# KiCad board PDNode_Baseboard.kicad_pcb (continued)
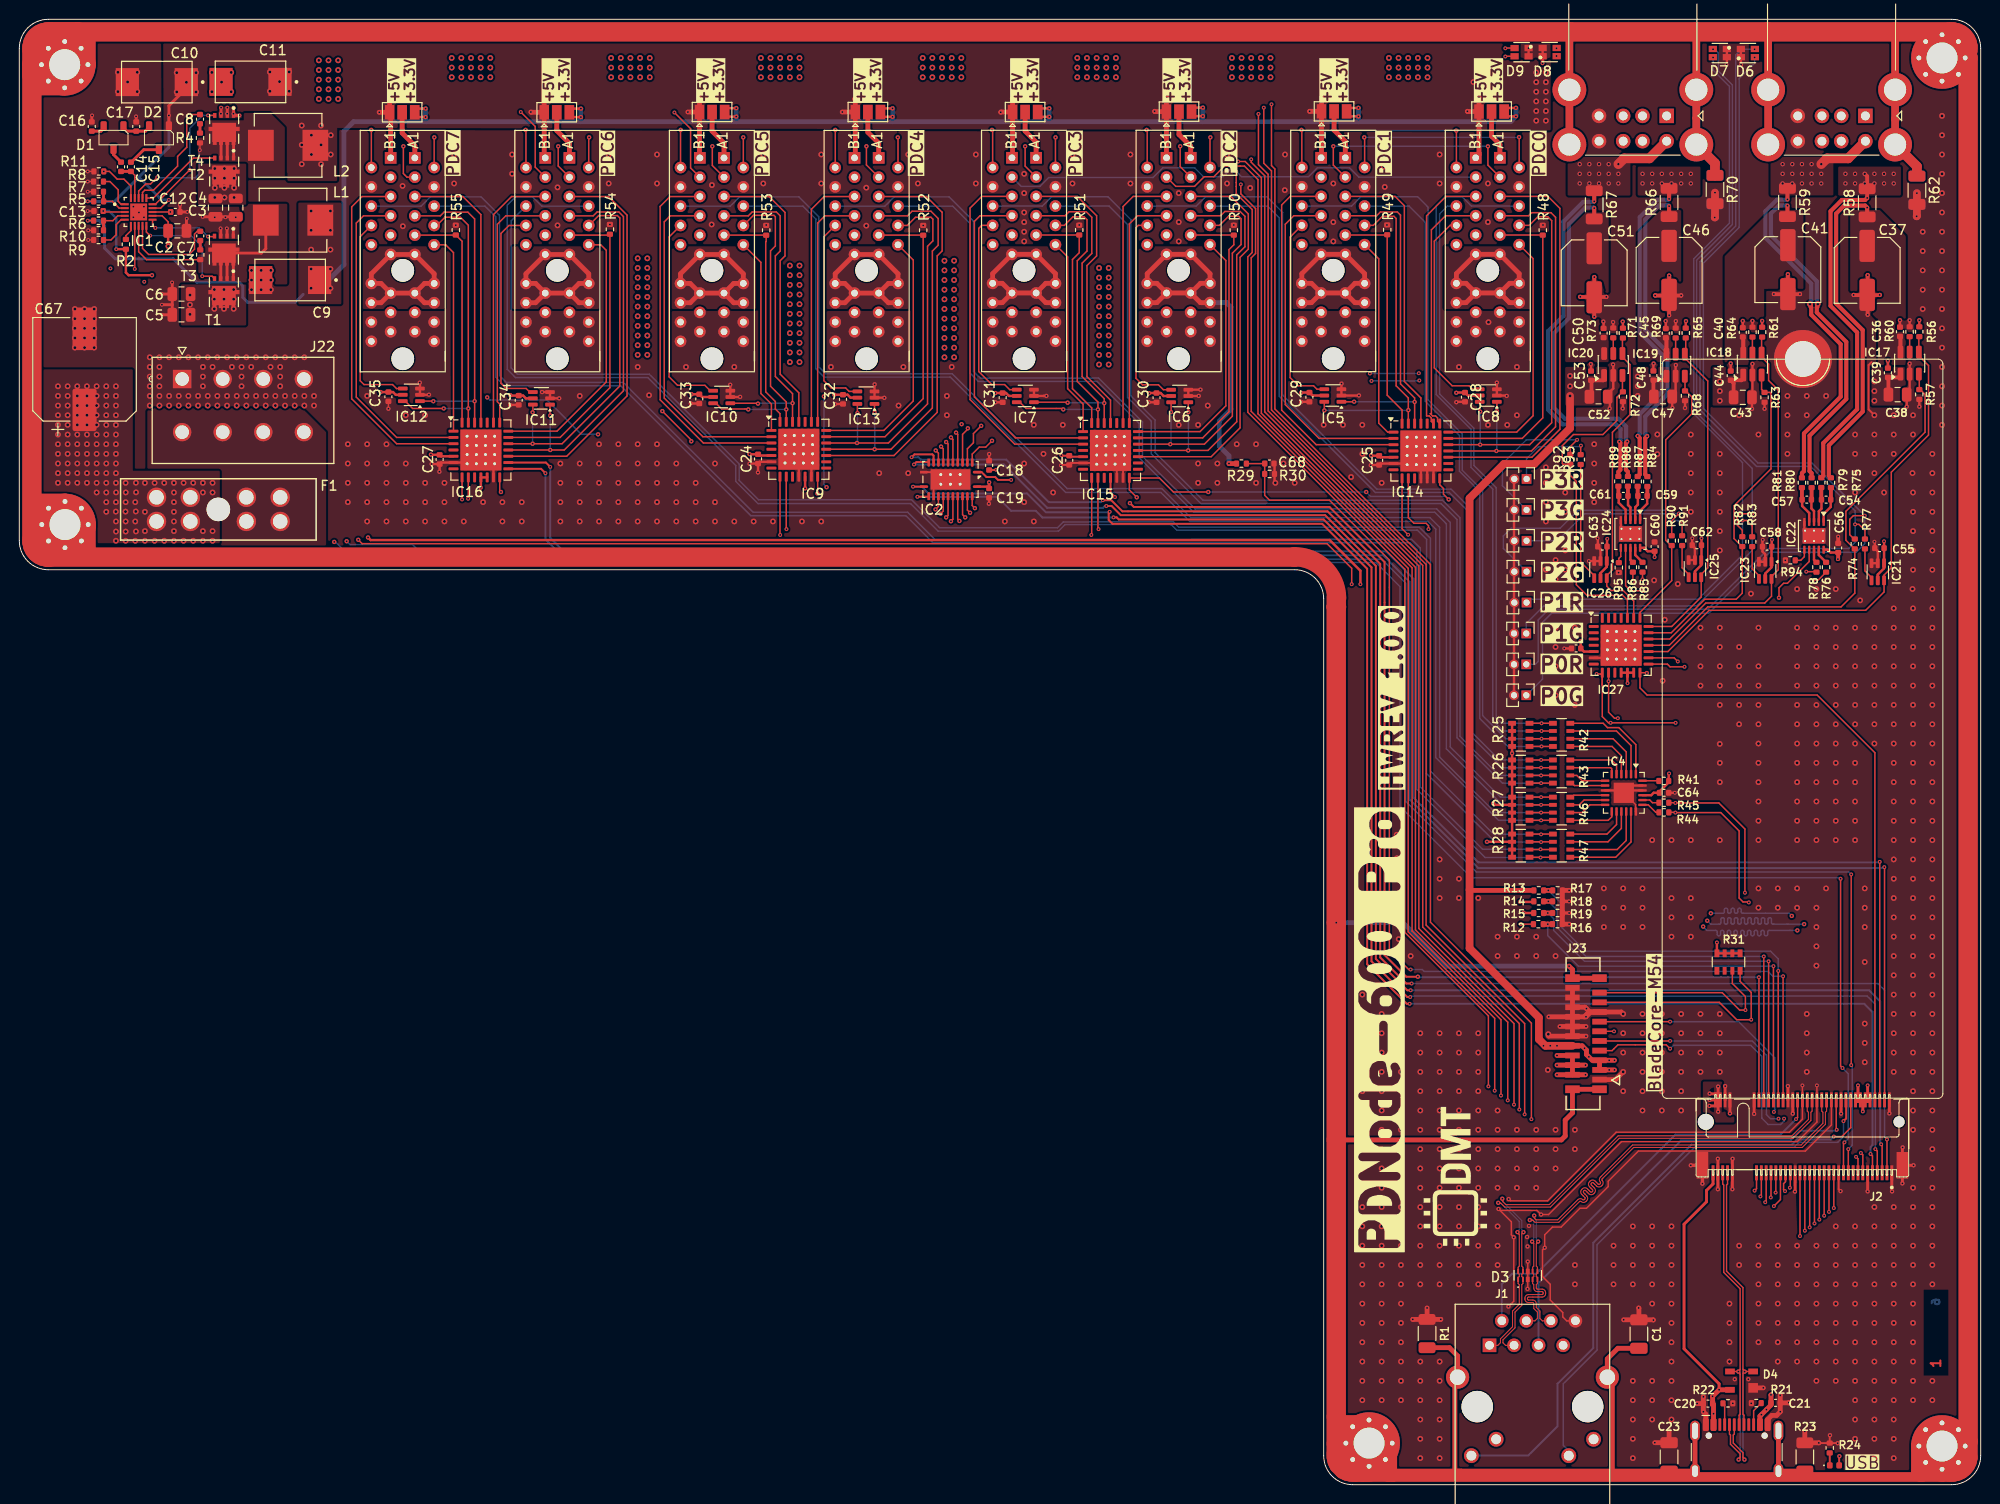
[diagram p0: board, top side]
## Routing (per net, layer and track width the routed paths; a pad name or vN(x,y) marks a point on that pad's centre or on a via; arc(x,y) is an arc through that point) (continued)
I2C1_SCL: length 286.9
  F.Cu (SIG) w0.149: v3(179,60.3) 178.95,60.35 178.4,60.35 178,60.75 178,67.7 176.1,69.6 v3(171.4,69.6) 171.38,69.62 R45.2 ; R76.2 186.2,93.7 v3(185.7,93.7) ; R85.2 v3(168,93.75) ; 163.84,82.8 163.84,79.54 164.48,78.9 v3(164.7,78.9) 171.42,78.9 v3(171.42,78.9) ; 163.84,82.8 IC27.8 ; 163.84,82.8 163.84,82.9 163.83,82.91 163.83,83.8 163.67,83.95 v3(163.25,83.95) ; R31.4 178.1,52.12 179.25,50.97 v3(179.25,48.15) 177.75,48.15 175.95,49.95 J23.17 ; v3(143.74,98.37) 143.11,99 IC14.8 ; v3(45.82,102.03) 45.82,102.37 IC16.8 ; J2.51 181.3,29.78 v3(181.27,29.75) ; v3(78.75,98.35) 78.73,98.37 IC9.8 ; IC15.8 110.99,98.39 v3(110.95,98.35)
  In2.Cu (SIG) w0.149: v3(163.25,83.95) 163.25,84.37 162.75,84.87 162.75,88.1 168,93.35 v3(168,93.75) 168,93.95 168.55,94.5 183.95,94.5 184.75,93.7 v3(185.7,93.7) ; v3(171.42,78.9) 171.42,78.88 172.8,77.5 172.8,70.65 171.75,69.6 v3(171.4,69.6) ; v3(181.27,29.75) 181.15,29.87 181.15,35.65 178.9,37.9 178.9,38.75 179.25,39.1 v3(179.25,48.15) 179.25,60.05 v3(179,60.3) ; v3(45.82,102.03) 49.5,98.35 v3(78.75,98.35) v3(110.95,98.35) 147.2,98.35 147.9,97.65 147.9,84.3 152.6,79.6 163.7,79.6 164.4,78.9 v3(164.7,78.9)
I2C1_SDA: length 283.8
  F.Cu (SIG) w0.149: v3(46.45,102.1) 46.47,102.12 IC16.9 ; v3(145.85,98.95) 145.85,99.31 145.6,99.56 144.34,99.56 143.76,100.14 IC14.9 ; J23.19 176.25,50.95 178.05,49.15 v3(178.65,49.15) 178.65,50.55 177.3,51.9 R31.3 ; IC27.9 v3(164.49,83.2) 164.49,79.99 165.1,79.38 v3(165.45,79.38) ; v3(111.7,98.95) 111.64,99.01 IC15.9 ; R86.1 v3(167,93.5) ; v3(184.95,94.55) 185.95,94.55 R78.1 ; v3(79.4,98.95) 79.38,98.97 IC9.9 ; v3(178.6,61.3) 178.6,67.9 175.9,70.6 v3(171.4,70.6) 171.38,70.62 R44.1 ; J2.53 180.8,29.35 v3(180.7,29.25)
  In2.Cu (SIG) w0.149: v3(180.7,29.25) 180.7,35.45 178.5,37.65 178.5,39.45 178.65,39.6 v3(178.65,49.15) 178.65,59.36 178.45,59.56 178.45,61.15 v3(178.6,61.3) ; v3(184.95,94.55) 184.6,94.9 167.85,94.9 167,94.05 v3(167,93.5) 167,93 162.3,88.3 162.3,83.99 163.09,83.2 v3(164.49,83.2) ; v3(171.4,70.6) 171.75,70.6 172.35,71.2 172.35,77.3 170.27,79.38 v3(165.45,79.38) 165.27,79.55 164.35,79.55 163.9,80 153.1,80 148.45,84.65 148.45,97.9 147.4,98.95 v3(111.7,98.95) v3(79.4,98.95) 49.6,98.95 v3(46.45,102.1)
MUX_OUT: length 139.1
  F.Cu (SIG) w0.15: v3(180.05,52.55) J2.56
  F.Cu (SIG) w0.2: v1(114.95,101.65) 115.35,101.25 135.6,101.25 141.3,95.55 141.3,54.85 143.55,52.6 v1(144.75,52.6) ; IC2.1 99.59,104.86 100.1,104.35 101,104.35 101.3,104.05 v3(102.65,104.05)
  In2.Cu (SIG) w0.2: v1(114.95,101.65) 114.95,101.7 113.75,102.9 108.55,102.9 107.4,104.05 v3(102.65,104.05)
  B.Cu (SIG) w0.2: v3(180.05,52.55) 144.8,52.55 v1(144.75,52.6)
MUX_S0: length 169.7
  F.Cu (SIG) w0.149: J2.3 v3(193.3,35.75)
  F.Cu (SIG) w0.2: v3(144.1,51.9) 143.55,51.9 140.85,54.6 140.85,95.35 135.4,100.8 114.17,100.8 113.02,101.95 v3(112.15,101.95) ; v3(92.35,106.4) 92.65,106.7 94.5,106.7 94.62,106.58 IC2.10
  B.Cu (SIG) w0.149: v3(144.1,51.9) 192.35,51.9 193.05,51.2 193.05,36 v3(193.3,35.75)
  B.Cu (SIG) w0.2: v3(92.35,106.4) 93.05,106.4 93.3,106.15 102.15,106.15 106.55,101.75 111.95,101.75 v3(112.15,101.95)
MUX_S1: length 166.5
  F.Cu (SIG) w0.149: J2.5 192.8,35.15 v3(192.7,35.25)
  F.Cu (SIG) w0.2: v3(144,51.2) 143.65,51.2 140.4,54.45 140.4,95.15 135.15,100.4 114,100.4 113.05,101.35 v3(112.5,101.35) ; v3(92.6,105.65) 92.85,105.9 IC2.11
  B.Cu (SIG) w0.2: v3(92.6,105.65) 101.9,105.65 106.39,101.16 112.16,101.16 112.35,101.35 v3(112.5,101.35) ; v3(144,51.2) 191.45,51.2 192.6,50.05 192.6,35.35 v3(192.7,35.25)
MUX_S2: length 163.6
  F.Cu (SIG) w0.149: J2.7 192.3,34.55 v3(192.1,34.75)
  F.Cu (SIG) w0.2: v3(92.95,102.3) 92.96,102.31 IC2.14 ; v3(143.95,50.5) 143.65,50.5 139.95,54.2 139.95,95 135,99.95 113.8,99.95 113.58,100.17 v3(113.25,100.17)
  B.Cu (SIG) w0.149: v3(143.95,50.5) 144.05,50.6 191.25,50.6 192.1,49.75 v3(192.1,34.75)
  B.Cu (SIG) w0.2: v3(92.95,102.3) 101.2,102.3 102.65,100.85 105.2,100.85 105.9,100.15 113.1,100.15 113.12,100.17 v3(113.25,100.17)
MUX_S3: length 164.4
  F.Cu (SIG) w0.149: J2.9 191.8,34.05 v3(191.6,34.25)
  F.Cu (SIG) w0.2: v3(112.85,100.75) 112.75,100.65 112.75,99.9 113.15,99.5 134.85,99.5 139.5,94.85 139.5,53.9 143.6,49.8 v3(143.9,49.8) ; v3(92.5,103.35) 92.5,103.36 IC2.13
  B.Cu (SIG) w0.2: v3(143.9,49.8) 190.95,49.8 191.8,48.95 191.8,35.16 191.6,34.96 v3(191.6,34.25) ; v3(112.85,100.75) 112.8,100.7 106.25,100.7 104.3,102.65 94.1,102.65 93.4,103.35 v3(92.5,103.35)
PD_ATTACH_PORT0: length 27.8
  F.Cu (SIG) w0.149: J4.A10 156.68,126.97 156.68,110.7 154.98,109 IC14.21
PD_ATTACH_PORT1: length 21
  F.Cu (SIG) w0.149: J5.A10 140.7,126.95 140.7,109.92 141.62,109 IC14.1
PD_ATTACH_PORT2: length 27.6
  F.Cu (SIG) w0.149: J6.A10 124.88,126.77 124.88,111.72 122.2,109.06 IC15.21
PD_ATTACH_PORT3: length 20.5
  F.Cu (SIG) w0.149: IC15.1 110.1,111.9 108.5,113.5 108.5,127.15 J7.A10
PD_ATTACH_PORT4: length 27.1
  F.Cu (SIG) w0.149: IC9.21 89.48,109.17 92.52,112.22 92.52,126.82 J8.A10
PD_ATTACH_PORT5: length 20.4
  F.Cu (SIG) w0.149: J9.A10 76.75,126.58 76.75,113 77.84,111.91 IC9.1
PD_ATTACH_PORT6: length 27.9
  F.Cu (SIG) w0.149: IC16.21 55.65,109.1 60.75,114.2 60.75,127.83 60.18,128.4 J10.A10
PD_ATTACH_PORT7: length 20.8
  F.Cu (SIG) w0.149: J11.A10 44.13,128.4 44.94,127.59 IC16.1
PD_ENABLE_PORT0: length 40.9
  F.Cu (SIG) w0.149: v1(151.2,111.12) 151.15,111.17 IC8.6 ; J4.A8 156.27,130.41 157.16,131.3 158.2,131.3 158.6,130.9 158.6,109.97 156.32,107.7 v1(151.2,107.7) IC14.19
  B.Cu (SIG) w0.149: v1(151.2,111.12) v1(151.2,107.7)
PD_ENABLE_PORT1: length 35.1
  F.Cu (SIG) w0.149: v1(135.07,111.25) 135.06,111.26 IC5.6 ; J5.A8 140.14,130.41 141.07,131.35 142.27,131.35 142.5,131.12 142.5,113.8 143.76,112.54 v1(143.76,111.28) IC14.27
  B.Cu (SIG) w0.149: v1(143.76,111.28) 143.74,111.25 v1(135.07,111.25)
PD_ENABLE_PORT2: length 39.9
  F.Cu (SIG) w0.149: IC6.6 119.21,111.09 v1(119.2,111.08) ; IC15.19 v1(119.12,107.75) 122.65,107.75 125.55,110.65 125.55,127.53 126.45,128.43 126.45,131.1 126.2,131.35 125.15,131.35 124.21,130.41 J6.A8
  B.Cu (SIG) w0.149: v1(119.12,107.75) 119.2,107.83 v1(119.2,111.08)
PD_ENABLE_PORT3: length 34.8
  F.Cu (SIG) w0.149: IC15.27 v1(111.64,111.35) 111.64,112.11 109.5,114.25 109.5,126.75 110.5,127.75 110.5,131 110.2,131.3 109.05,131.3 108.16,130.41 J7.A8 ; IC7.6 103.55,112.1 104.2,111.45 107.95,111.45 v1(108.05,111.35)
  B.Cu (SIG) w0.149: v1(108.05,111.35) v1(111.64,111.35)
PD_ENABLE_PORT4: length 39.6
  F.Cu (SIG) w0.149: J8.A8 91.9,130.4 92.75,131.25 94.35,131.25 94.55,131.05 94.55,128.8 94,128.25 94,111.92 89.95,107.88 v1(86.7,107.88) IC9.19 ; v1(86.75,110.97) 86.74,110.99 IC13.6
  B.Cu (SIG) w0.149: v1(86.7,107.88) 86.75,107.92 v1(86.75,110.97)
PD_ENABLE_PORT5: length 33.8
  F.Cu (SIG) w0.149: IC9.27 v1(79.38,111.35) 79.38,112.13 77.75,113.75 77.75,127.78 78.25,128.28 78.25,131.3 78.1,131.45 75.99,131.45 J9.A8 ; IC10.6 72.11,111.99 72.7,111.4 75.4,111.4 v1(75.45,111.35)
  B.Cu (SIG) w0.149: v1(75.45,111.35) v1(79.38,111.35)
PD_ENABLE_PORT6: length 39.2
  F.Cu (SIG) w0.149: IC16.19 v1(53.12,107.8) 56.18,107.8 62.15,113.78 62.15,131.18 61.9,131.43 59.96,131.43 J10.A8 ; IC11.6 53.15,111.08 v1(53.12,111.05)
  B.Cu (SIG) w0.149: v1(53.12,111.05) v1(53.12,107.8)
PD_ENABLE_PORT7: length 31.8
  F.Cu (SIG) w0.149: J11.A8 43.2,130.4 44.05,131.25 45.65,131.25 46.47,130.43 v1(46.47,111.45) IC16.27 ; IC12.6 39.94,112.21 40.7,111.45 v1(43.93,111.45)
  B.Cu (SIG) w0.149: v1(43.93,111.45) v1(46.47,111.45)
PD_IRQ_PORT0: length 42.4
  F.Cu (SIG) w0.149: IC14.17 156.55,106.4 159.45,109.3 159.45,132.18 158.21,133.41 J4.A5
PD_IRQ_PORT1: length 29.8
  F.Cu (SIG) w0.149: IC14.25 145.06,112.54 143.35,114.25 143.35,132.45 142.39,133.41 J5.A5
PD_IRQ_PORT2: length 41
  F.Cu (SIG) w0.149: IC15.17 123.36,106.45 126.35,109.45 126.35,127.1 127.2,127.95 127.2,131.6 125.39,133.41 J6.A5
PD_IRQ_PORT3: length 30
  F.Cu (SIG) w0.149: IC15.25 112.94,112.31 110.5,114.75 110.5,126.25 111.5,127.25 111.5,131.41 109.5,133.41 J7.A5
PD_IRQ_PORT4: length 41.5
  F.Cu (SIG) w0.149: 95.52,131.75 95.51,131.76 ; 95.51,131.76 93.88,133.4 J8.A5 ; 95.51,131.76 95.51,127.76 95,127.25 95,111.05 90.52,106.58 IC9.17
PD_IRQ_PORT5: length 29.7
  F.Cu (SIG) w0.149: IC9.25 80.68,113.07 78.75,115 78.75,126.75 79.25,127.25 79.25,131.75 77.6,133.4 J9.A5
PD_IRQ_PORT6: length 40.4
  F.Cu (SIG) w0.149: J10.A5 60.98,133.4 62.9,131.47 62.9,112.75 56.65,106.5 IC16.17
PD_IRQ_PORT7: length 29.2
  F.Cu (SIG) w0.149: IC16.25 47.77,131.53 45.9,133.4 J11.A5
PD_RESET_PORT0: length 27.9
  F.Cu (SIG) w0.149: J4.B5 147.66,133.41 145.65,131.4 145.65,110.68 145.93,110.68 146.14,110.47 146.14,110.11 IC14.23
PD_RESET_PORT1: length 38.8
  F.Cu (SIG) w0.149: J5.B5 131.54,133.41 130.65,132.53 130.65,111.28 134.23,107.7 IC14.3
PD_RESET_PORT2: length 27.4
  F.Cu (SIG) w0.149: IC15.23 114.24,132.36 115.29,133.41 J6.B5
PD_RESET_PORT3: length 38.3
  F.Cu (SIG) w0.149: IC15.3 103.02,107.75 98.4,112.38 98.4,132.2 99.61,133.41 J7.B5
PD_RESET_PORT4: length 27
  F.Cu (SIG) w0.149: J8.B5 83.3,133.4 81.98,132.08 IC9.23
PD_RESET_PORT5: length 37.9
  F.Cu (SIG) w0.149: IC9.3 70.8,107.88 66.32,112.35 66.32,132.38 67.35,133.4 J9.B5
PD_RESET_PORT6: length 27.7
  F.Cu (SIG) w0.149: J10.B5 50.95,133.4 49.07,131.52 IC16.23
PD_RESET_PORT7: length 36.8
  F.Cu (SIG) w0.149: IC16.3 39.05,107.8 34.4,112.45 34.4,132.32 35.47,133.4 J11.B5
PDC_DET_PORT0: length 34
  F.Cu (SIG) w0.149: IC14.20 155.55,108.35 157.68,110.47 R48.1 157.66,129.41 J4.A9
PDC_DET_PORT1: length 24.5
  F.Cu (SIG) w0.149: J5.A9 141.55,129.41 R49.1 141.57,112.83 143.11,111.29 IC14.28
PDC_DET_PORT2: length 33.5
  F.Cu (SIG) w0.149: J6.A9 125.69,129.41 R50.1 125.7,128.4 125.2,127.9 125.2,111.12 122.48,108.41 IC15.20
PDC_DET_PORT3: length 25.1
  F.Cu (SIG) w0.149: IC15.28 110.99,111.51 109,113.5 109,126.88 109.7,127.58 R51.1 109.7,129.41 J7.A9
PDC_DET_PORT4: length 33.2
  F.Cu (SIG) w0.149: IC9.20 89.6,108.53 93.55,112.47 R52.1 93.54,129.4 J8.A9
PDC_DET_PORT5: length 24.3
  F.Cu (SIG) w0.149: IC9.28 78.73,110.92 78.25,111.39 78.25,112.17 77.25,113.17 77.25,128.7 77.3,128.75 R53.1 77.29,129.4 J9.A9
PDC_DET_PORT6: length 32.9
  F.Cu (SIG) w0.149: IC16.20 55.97,108.45 61.12,113.6 R54.1 ; J10.A9 61.26,129.4
PDC_DET_PORT7: length 23.8
  F.Cu (SIG) w0.149: J11.A9 45.08,129.4 ; IC16.28 45.82,128.77 R55.1
PGOOD_COMBINED_PORT0: length 26
  F.Cu (SIG) w0.149: IC14.22 146.79,110.11 146.79,110.47 146.58,110.68 146.27,110.68 146.03,110.91 146.15,110.91 146.15,129.95 147.61,131.41 J4.B7
PGOOD_COMBINED_PORT1: length 35.4
  F.Cu (SIG) w0.149: IC14.2 134.52,108.35 131.02,111.85 131.02,130.53 131.91,131.41 J5.B7
PGOOD_COMBINED_PORT2: length 24.8
  F.Cu (SIG) w0.149: IC15.22 114.89,130.56 115.74,131.41 J6.B7
PGOOD_COMBINED_PORT3: length 35.3
  F.Cu (SIG) w0.149: IC15.2 103.09,108.41 98.85,112.65 98.85,130.82 99.44,131.41 J7.B7
PGOOD_COMBINED_PORT4: length 24.7
  F.Cu (SIG) w0.149: J8.B7 83.37,131.4 82.63,130.65 IC9.22
PGOOD_COMBINED_PORT5: length 34.9
  F.Cu (SIG) w0.149: IC9.2 70.75,108.53 66.75,112.53 66.75,130.78 67.37,131.4 J9.B7
PGOOD_COMBINED_PORT6: length 26
  F.Cu (SIG) w0.149: J10.B7 50.35,131.4 49.47,130.53 49.47,112.15 49.72,111.9 IC16.22
PGOOD_COMBINED_PORT7: length 33.7
  F.Cu (SIG) w0.149: J11.B7 35.62,131.4 34.88,130.65 34.88,112.62 39.05,108.45 IC16.2
PMIC_EN_PORT0: length 45
  F.Cu (SIG) w0.149: J4.A7 156.21,131.41 156.52,131.72 158.52,131.72 159,131.25 159,109.55 156.5,107.05 v1(152.88,107.05) IC14.18 ; IC8.1 v1(152.93,111.17)
  B.Cu (SIG) w0.149: v1(152.88,107.05) 152.93,107.1 v1(152.93,111.17)
PMIC_EN_PORT1: length 35.8
  F.Cu (SIG) w0.149: J5.A7 140.49,131.41 140.88,131.8 142.62,131.8 142.95,131.47 142.95,114 144.41,112.54 v1(144.41,112.12) IC14.26 ; v1(138.15,112.15) 138.14,112.14 IC5.1
  B.Cu (SIG) w0.149: v1(144.41,112.12) 144.39,112.15 v1(138.15,112.15)
PMIC_EN_PORT2: length 44.1
  F.Cu (SIG) w0.149: IC6.1 120.99,111.09 v1(121,111.08) ; J6.A7 124.34,131.41 124.77,131.85 126.35,131.85 126.85,131.35 126.85,128.2 126,127.35 126,110.08 123.03,107.11 v1(120.98,107.11) IC15.18
  B.Cu (SIG) w0.149: v1(120.98,107.11) 121,107.13 v1(121,111.08)
PMIC_EN_PORT3: length 36.2
  F.Cu (SIG) w0.149: v1(108.5,112.05) 108.45,112.1 IC7.1 ; IC15.26 v1(112.29,112) 112.29,112.46 110,114.75 110,126.5 111,127.5 111,131.25 110.43,131.82 108.65,131.82 108.24,131.41 J7.A7
  B.Cu (SIG) w0.149: v1(108.5,112.05) 112.24,112.05 v1(112.29,112)
PMIC_EN_PORT4: length 44
  F.Cu (SIG) w0.149: v1(88.52,111.03) 88.51,111.04 IC13.1 ; J8.A7 91.92,131.4 92.4,131.88 94.35,131.88 95.1,131.12 95.1,128.35 94.5,127.75 94.5,111.5 90.23,107.22 v1(88.52,107.22) IC9.18
  B.Cu (SIG) w0.149: v1(88.52,111.03) v1(88.52,107.22)
PMIC_EN_PORT5: length 34.9
  F.Cu (SIG) w0.149: v1(76.45,111.95) 76.41,111.99 IC10.1 ; IC9.26 v1(80.03,112) 80.03,112.99 78.25,114.76 78.25,127.25 78.75,127.75 78.75,131.4 78.35,131.8 75.85,131.8 75.45,131.4 J9.A7
  B.Cu (SIG) w0.149: v1(76.45,111.95) 76.5,112 v1(80.03,112)
PMIC_EN_PORT6: length 43.2
  F.Cu (SIG) w0.149: IC16.18 v1(54.95,107.15) 56.4,107.15 62.53,113.28 62.53,131.32 62.05,131.8 59.8,131.8 59.4,131.4 J10.A7 ; v1(54.95,110.72) 54.93,110.75 IC11.1
  B.Cu (SIG) w0.149: v1(54.95,110.72) v1(54.95,107.15)
PMIC_EN_PORT7: length 33.4
  F.Cu (SIG) w0.149: J11.A7 43.57,131.4 43.95,131.78 46.43,131.78 47.12,131.08 IC16.26 ; IC12.1 42.84,112.21 v1(42.85,112.2)
  B.Cu (SIG) w0.149: v1(47.12,112.2) v1(42.85,112.2)
PMIC_VMON_PORT0: length 70.8
  F.Cu (SIG) w0.149: IC2.2 98.62,106.72 99.35,107.45 100.02,107.45 v1(100.68,108.1)
  In2.Cu (SIG) w0.149: v3(139.78,115.07) 139.78,114.97 139.77,114.97 129.73,114.97 129.02,114.28 115.7,114.28 114.48,113.05 107.82,113.05 106.07,111.3 101.52,111.3 100.9,110.67 100.9,108.33 v1(100.68,108.1) ; v3(144.85,115.1) 145.8,115.1 147,116.3 147,128.25 148.16,129.41 J4.B9
  B.Cu (SIG) w0.149: v3(144.85,115.1) 144.82,115.07 v3(139.78,115.07)
PMIC_VMON_PORT1: length 56.4
  F.Cu (SIG) w0.149: IC2.3 98.12,107.28 98.75,107.9 98.75,108.85 v1(99.55,109.65)
  In2.Cu (SIG) w0.149: J5.B9 130.79,129.41 129.7,128.32 129.7,116.78 127.95,115.03 114.8,115.03 114.02,114.25 100.85,114.25 99.55,112.95 v1(99.55,109.65)
PMIC_VMON_PORT2: length 41.7
  F.Cu (SIG) w0.149: v1(98.18,109.4) 98.18,109.33 97.62,108.78 IC2.4
  In2.Cu (SIG) w0.149: J6.B9 115.56,129.41 114.32,128.18 114.32,116.28 113,114.95 100.12,114.95 98.45,113.28 98.45,110.22 98.18,109.95 v1(98.18,109.4)
PMIC_VMON_PORT3: length 27.7
  F.Cu (SIG) w0.149: v1(96.95,108.95) 97.12,108.78 IC2.5
  In2.Cu (SIG) w0.149: v1(96.95,108.95) 96.95,110.2 97.5,110.75 97.5,127.08 99.84,129.41 J7.B9
PMIC_VMON_PORT4: length 35.3
  F.Cu (SIG) w0.149: IC2.6 96.62,108.25 v1(96.43,108.45)
  In2.Cu (SIG) w0.149: J8.B9 85.4,128.36 85.4,127.73 82.7,125.03 82.7,114.45 83.18,113.97 85.3,113.97 87.32,111.95 89.43,111.95 92.5,108.88 96,108.88 v1(96.43,108.45)
PMIC_VMON_PORT5: length 52
  F.Cu (SIG) w0.149: v1(95.93,107.97) 96.12,107.78 IC2.7
  In2.Cu (SIG) w0.149: J9.B9 70.43,129.04 66.55,125.16 66.55,112.35 68.43,110.47 89.85,110.47 91.95,108.38 95.52,108.38 v1(95.93,107.97)
PMIC_VMON_PORT6: length 69.1
  F.Cu (SIG) w0.149: IC2.8 95.62,107.28 v1(95.4,107.5)
  In2.Cu (SIG) w0.149: v1(95.4,107.5) 95.15,107.75 91.6,107.75 89.18,110.17 50.32,110.17 50,110.5 50,124.61 54.43,129.04 J10.B9
PMIC_VMON_PORT7: length 83.8
  F.Cu (SIG) w0.149: IC2.9 95.12,106.83 v1(94.85,107.1)
  In2.Cu (SIG) w0.149: v1(94.85,107.1) 91.23,107.1 88.52,109.8 35.6,109.8 34.03,111.38 34.03,124.6 38.43,129.01 J11.B9
PORT_EN_PORT0: length 21.7
  F.Cu (SIG) w0.149: J4.B8 148.09,130.41 146.45,128.78 146.45,115.65 148.3,113.8 150.05,113.8 150.41,113.44 IC8.4
PORT_EN_PORT1: length 20.3
  F.Cu (SIG) w0.149: J5.B8 131.52,129.2 131.52,114.65 132.38,113.8 133.95,113.8 134.31,113.44 IC5.4
PORT_EN_PORT2: length 21
  F.Cu (SIG) w0.149: IC6.4 118.41,113.39 117.9,113.9 116.25,113.9 115.57,114.58 115.57,130.18 115.81,130.41 J6.B8
PORT_EN_PORT3: length 21.1
  F.Cu (SIG) w0.149: IC7.4 102.5,113.4 101.98,113.92 100.65,113.92 99.3,115.28 99.3,130.1 99.61,130.41 J7.B8
PORT_EN_PORT4: length 20.5
  F.Cu (SIG) w0.149: J8.B8 83.27,129.23 83.27,114.33 84.02,113.58 85.52,113.58 85.88,113.22 IC13.4
PORT_EN_PORT5: length 21.3
  F.Cu (SIG) w0.149: IC10.4 71.51,113.29 70.95,113.85 68.12,113.85 67.25,114.72 67.25,129.21 J9.B8
PORT_EN_PORT6: length 22.1
  F.Cu (SIG) w0.149: IC11.4 52.82,113.15 52.45,113.53 50.38,113.53 49.85,114.05 49.85,129.57 50.67,130.4 J10.B8
PORT_EN_PORT7: length 21.3
  F.Cu (SIG) w0.149: IC12.4 39.04,113.51 38.62,113.92 35.68,113.92 35.28,114.33 35.28,129.24 J11.B8
PORTA0_N: length 52.7
  F.Cu (SIG) w0.4: v3(191.25,133.25) R58.2 191.25,135.5 v4(191,135.75)
  F.Cu (SIG) w0.426: v3(191.25,133.25) 191.04,133.04 188.63,133.04 187.46,131.87 187.46,122.08 190.21,119.33 190.21,111.37 186.71,107.86 186.71,104.49 R79.2
  In2.Cu (SIG) w1: v4(193,134.75) 193.6,135.35 195.6,135.35 197.2,136.95 197.2,140.75 196.2,141.75 J12.1
  vias: v4(189,135.75) v4(189,134.75) v4(190,135.75) v4(190,134.75) v4(191,134.75) v4(192,135.75) v4(192,134.75) v4(193,135.75) v4(194,135.75) v4(194,134.75)
PORTA0_P: length 36.3
  F.Cu (SIG) w0.426: C36.1 194.7,118.87 IC17.6 ; R58.1 v3(191.25,132.25) 191.04,132.46 188.87,132.46 188.04,131.63 188.04,122.32 190.79,119.57 190.79,111.13 187.28,107.63 187.28,104.49 R75.2
PORTA1_N: length 42.2
  F.Cu (SIG) w0.426: v2(185.33,122.26) 185.36,122.26 185.41,122.21 185.41,121.95 185.46,121.91 185.46,121.16 188.51,118.11 188.51,112.67 184.71,108.87 184.71,104.96 184.5,104.75 R81.2 ; R59.1 v3(183,133.1)
  F.Cu (SIG) w1: J12.5 189.29,137.35 187.1,137.35 v4(186.5,136.75)
  B.Cu (SIG) w0.426: v2(185.33,122.26) 185.39,122.26 185.41,122.29 185.41,122.55 185.46,122.59 185.46,124.38 180.71,129.13 180.71,131.87 181.91,133.06 182.96,133.06 v3(183,133.1)
  vias: v4(182.5,136.75) v4(182.5,135.75) v4(182.5,134.75) v4(183.5,136.75) v4(183.5,135.75) v4(183.5,134.75) v4(184.5,136.75) v4(184.5,135.75) v4(184.5,134.75) v4(185.5,136.75) v4(185.5,135.75) v4(185.5,134.75) v4(186.5,135.75) v4(186.5,134.75)
PORTA1_P: length 37.2
  F.Cu (SIG) w0.426: C40.1 178.42,118.81 IC18.6 ; v2(186.14,122.27) 186.14,122.26 186.09,122.21 186.09,121.95 186.04,121.91 186.04,121.39 189.09,118.34 189.09,112.43 185.29,108.63 185.29,104.96 185.5,104.75 R80.2 ; R59.2 v3(183,132.45)
  B.Cu (SIG) w0.426: v3(183,132.45) 182.96,132.49 182.14,132.49 181.29,131.63 181.29,129.37 186.04,124.62 186.04,122.34 186.1,122.27 v2(186.14,122.27)
PORTA2_N: length 50.3
  F.Cu (SIG) w0.426: R87.2 167.71,104.61 167.71,108.39 167.5,108.6 v3(167.5,108.6) ; R66.2 v3(170.75,133.15)
  In2.Cu (SIG) w1: v4(172,135.75) 176,135.75 177,136.75 177,140.75 176,141.75 J13.1
  B.Cu (SIG) w0.426: v3(170.75,133.15) 170.66,133.06 169.51,133.06 167.71,131.27 167.71,119.33 170.01,117.03 170.01,113.17 167.71,110.87 167.71,108.81 v3(167.5,108.6)
  vias: v4(168,135.75) v4(168,134.75) v4(169,135.75) v4(169,134.75) v4(170,135.75) v4(170,134.75) v4(171,135.75) v4(171,134.75) v4(172,134.75) v4(173,135.75) v4(173,134.75)
PORTA2_P: length 34.7
  F.Cu (SIG) w0.426: IC19.6 170.48,118.7 C45.1 ; R84.2 168.28,104.61 168.28,108.39 168.48,108.58 v3(168.48,108.58) ; R66.1 v3(170.75,132.4)
  B.Cu (SIG) w0.426: v3(168.48,108.58) 168.29,108.77 168.29,110.63 170.59,112.93 170.59,117.27 168.29,119.57 168.29,131.03 169.74,132.49 170.66,132.49 v3(170.75,132.4)
PORTA3_N: length 44.7
  F.Cu (SIG) w0.426: R67.1 v3(163,132.9) ; v3(165.6,108) 165.6,107.99 165.71,107.89 165.71,105.1 165.5,104.9 R89.2
  F.Cu (SIG) w1: v4(165.5,136.75) 166.1,137.35 168.72,137.35 J13.5
  B.Cu (SIG) w0.426: v3(163,132.9) 162.94,132.84 161.86,132.84 159.81,130.79 159.81,121.04 158.24,119.47 158.24,111.31 159.73,109.81 165.26,109.81 165.73,109.34 165.73,108.12 v3(165.6,108)
  vias: v4(161.5,136.75) v4(161.5,135.75) v4(161.5,134.75) v4(162.5,136.75) v4(162.5,135.75) v4(162.5,134.75) v4(163.5,136.75) v4(163.5,135.75) v4(163.5,134.75) v4(164.5,136.75) v4(164.5,135.75) v4(164.5,134.75) v4(165.5,135.75) v4(165.5,134.75)
PORTA3_P: length 37.8
  F.Cu (SIG) w0.426: R67.2 v3(163,132.2) ; v3(166.41,108.01) 166.28,107.89 166.28,105.1 166.49,104.9 R88.2
  B.Cu (SIG) w0.426: v3(163,132.2) 162.94,132.26 162.09,132.26 160.39,130.56 160.39,120.81 158.81,119.23 158.81,111.54 159.97,110.39 165.5,110.39 166.3,109.58 166.3,108.12 v3(166.41,108.01)
SHIELD: length 960.4
  F.Cu (SIG) w0.5: 164.88,1.4 164.88,10.61 164.36,11.13 164.36,13.03 165.45,14.13 C1.2 ; 164.88,1.4 C23.1 J3.S1 J3.S1 ; 164.88,1.4 149.25,1.4 ; 149.25,1.4 148.55,1.4 148.57,1.43 148.57,10.84 148.87,11.13 148.87,13.34 148.01,14.19 R1.2 ; 149.25,1.4 141.25,1.4 141.15,1.3 ; R23.1 184.79,1.4 J3.S1 J3.S1 ; J23.P2 J23.P4 160.75,53.35 v3(160.4,53.7) ; 136.3,35.7 159.6,35.7 160,36.1 160,37.75 160.75,38.5 J23.P3 J23.P1
  F.Cu (SIG) w0.8: J13.9 J13.9 160.43,150.35 160.52,150.45 ; 173.62,150.45 173.57,150.39 J13.9 173.57,141.5 ; 194.14,141.43 J12.9 194.14,150.39 194.2,150.45 ; 194.14,141.43 J12.9 ; 194.14,141.43 194.2,141.36 ; 180.9,150.45 181,150.35 J12.9 ; 173.57,141.5 J13.9 ; 173.57,141.5 173.58,141.49
  F.Cu (SIG) w1: 142.18,0.8 141.65,0.8 141.15,1.3 ; 142.18,0.8 197.02,0.8 ; 142.18,0.8 138.95,0.8 138.45,1.3 ; 142.18,0.8 142.1,0.88 H3.1 ; 141.15,1.3 141.39,1.55 H3.1 ; 141.15,1.3 139.7,1.3 ; R70.1 175.5,136.85 J13.9 ; 136.3,7.03 136.62,6.7 H3.1 ; R62.1 196.4,136.52 J12.9
  F.Cu (SIG) w2: 131.93,96.09 arc(135.01,94.88) 136.34,91.84 ; 6.88,96.85 6.9,96.88 6.9,99.43 H5.1 4.72,101.63 1.85,101.63 1.55,101.33 ; 1.3,145.85 1.3,148.55 1.31,148.92 1.4,149.31 1.56,149.65 1.8,149.95 2.1,150.19 2.44,150.35 2.83,150.44 3.2,150.45 ; 131.98,96.06 131.96,96.06 3.01,96.06 3,96.05 ; 3.2,96.05 2.83,96.06 2.44,96.15 2.1,96.31 1.8,96.55 1.56,96.85 1.4,97.19 1.31,97.58 1.3,97.95 1.3,147.15 4.6,147.15 H2.1 ; H2.1 4.7,144.9 4.68,144.88 1.7,144.88 1.65,144.93 ; H2.1 6.9,147.05 6.9,147.05 6.9,150.1 ; H2.1 6.07,148.43 6.07,150.45 3.2,150.45 ; H1.1 201.7,147.75 201.7,4.5 201.69,4.49 201.69,2.83 201.6,2.44 201.44,2.1 201.2,1.8 200.9,1.56 200.56,1.4 200.17,1.31 199.8,1.3 199,1.3 ; 199,1.3 H4.1 196.82,4 196.8,3.98 196.8,1.3 199,1.3 ; 3.2,150.45 199.8,150.45 200.17,150.44 200.56,150.35 200.9,150.19 201.2,149.95 201.44,149.65 201.6,149.31 201.69,148.92 201.7,148.55 ; 136.3,91.84 136.3,90.92 136.32,90.9 136.3,90.88 v3(136.3,58.2) 136.3,3.2 136.31,2.83 136.4,2.44 136.56,2.1 137.1,1.56 137.44,1.4 137.83,1.31 138.2,1.3 139.7,1.3
  B.Cu (SIG) w0.5: v3(136.3,58.2) 143.2,58.2 147.7,53.7 v3(160.4,53.7)
  B.Cu (SIG) w0.8: J12.9 J12.9 ; J13.9 173.57,141.53 ; 173.57,141.53 J13.9 ; 173.57,141.53 173.6,141.5
  B.Cu (SIG) w1: C42.1 196.4,136.52 J12.9 ; C49.1 175.5,136.85 J13.9
Net-(C7-Pad2): length 1
  F.Cu (SIG) w0.3: R3.1 C7.2
Net-(C8-Pad2): length 1
  F.Cu (SIG) w0.3: R4.1 C8.2
Net-(C14-Pad2): length 1.7
  F.Cu (SIG) w0.3: D1.3 9.75,137.74 C14.2
Net-(C15-Pad2): length 3.5
  F.Cu (SIG) w0.3: D2.3 14.4,138.25 12.88,138.25 11.59,136.96 C15.2
Net-(C17-Pad1): length 3.3
  F.Cu (SIG) w0.3: D1.1 10.78,140.5 11.11,140.17 C17.1 13.05,140.17 13.43,140.55 D2.2
Net-(D6-A1): length 111.8
  F.Cu (SIG) w0.149: R74.2 189.89,97.93 189.45,98.38 189.45,99.97 189.82,100.35 v3(191,100.35) ; D6.4 v3(179.6,147.8)
  B.Cu (SIG) w0.149: v3(179.6,147.8) 179.6,147.2 178,145.6 178,130.2 174.3,126.5 174.3,111.45 179.95,105.8 185.55,105.8 v3(191,100.35) 191,97.45 190.1,96.55 181.15,96.55 174.85,90.25 158.6,90.25 157.65,89.3 157.65,83.42 155.98,81.75 J14.1
Net-(D6-A2): length 108.1
  F.Cu (SIG) w0.149: R77.2 191.02,98.83 190.4,99.45 v3(190,99.45) ; D6.3 v3(179.6,148.65)
  B.Cu (SIG) w0.149: 155.97,84.97 J15.1 156.9,84.95 157.2,85.25 157.2,89.55 158.3,90.65 174.75,90.65 181.05,96.95 189.35,96.95 190,97.6 v3(190,99.45) 190,100.85 185.4,105.45 179.8,105.45 173.95,111.3 173.95,126.65 177.65,130.35 177.65,148.05 178.25,148.65 v3(179.6,148.65)
Net-(D7-A1): length 88.3
  F.Cu (SIG) w0.149: R82.2 178.32,98.85 177.82,99.35 177.82,100.33 178.05,100.55 v3(179.35,100.55) ; D7.4 175.28,148.67 v3(175.3,148.65)
  B.Cu (SIG) w0.149: v3(175.3,148.65) 175.5,148.65 175.85,148.3 175.85,146.4 177.3,144.95 177.3,130.5 173.6,126.8 173.6,111 179.35,105.25 v3(179.35,100.55) 179.35,96.75 173.6,91 157.77,91 155.97,89.2 J16.1
Net-(D7-A2): length 82.6
  F.Cu (SIG) w0.149: v3(175.3,147.8) 175.28,147.82 D7.3 ; R83.2 179.35,99.3 178.8,99.85 v3(178.35,99.85)
  B.Cu (SIG) w0.149: J17.1 156.1,91.35 156.45,91.7 173.75,91.7 178.35,96.3 v3(178.35,99.85) 178.35,105.85 173.3,110.9 173.3,126.95 177,130.65 177,144.8 175.3,146.5 v3(175.3,147.8)
Net-(D8-A1): length 88.6
  F.Cu (SIG) w0.149: v3(171.77,100.58) 171.02,99.82 R90.2 ; D8.4 159.11,147.94 v3(159.1,147.95)
  In2.Cu (SIG) w0.149: v3(171.77,100.58) 172.05,100.85 172.05,108.25 169.7,110.6 160.1,110.6 159.3,111.4 159.3,133.85 157.15,136 157.15,139.85 156.3,140.7 156.3,146.45 156.8,146.95 156.8,147.5 157.25,147.95 v3(159.1,147.95)
  B.Cu (SIG) w0.149: v3(171.77,100.58) 171.23,100.58 170.9,100.9 161.32,100.9 159.48,99.05 154.4,99.05 153.6,98.25 153.6,96.95 J18.1
Net-(D8-A2): length 82.5
  F.Cu (SIG) w0.149: v3(171.95,99.55) 172.1,99.4 R91.2 ; D8.3 159.11,148.76 v3(159.1,148.75)
  In2.Cu (SIG) w0.149: v3(159.1,148.75) 158.9,148.75 158.5,148.35 157.15,148.35 156.45,147.65 156.45,147.1 155.95,146.6 155.95,140.6 156.85,139.7 156.85,135.85 159,133.7 159,111.25 159.9,110.35 169.45,110.35 171,108.8 171,100.5 v3(171.95,99.55)
  B.Cu (SIG) w0.149: v3(171.95,99.55) 171.65,99.85 171,99.85 170.3,100.55 162,100.55 159.2,97.75 J19.1
